# Altium PCB xialeste.PcbDoc (part 8 of 10)
Units mm, origin at the board's own origin, x right, y up, seen from the top; angles counter-clockwise.
Board outline 203.2 x 171.45 mm, 6 copper layers (L1, L2, L3, L4 (PWR), L5, L6), stack 1.542 mm thick; 748 components, 618 nets, 3334 pads, 1535 vias.
Unrouted connection lines stored in the file: 160.
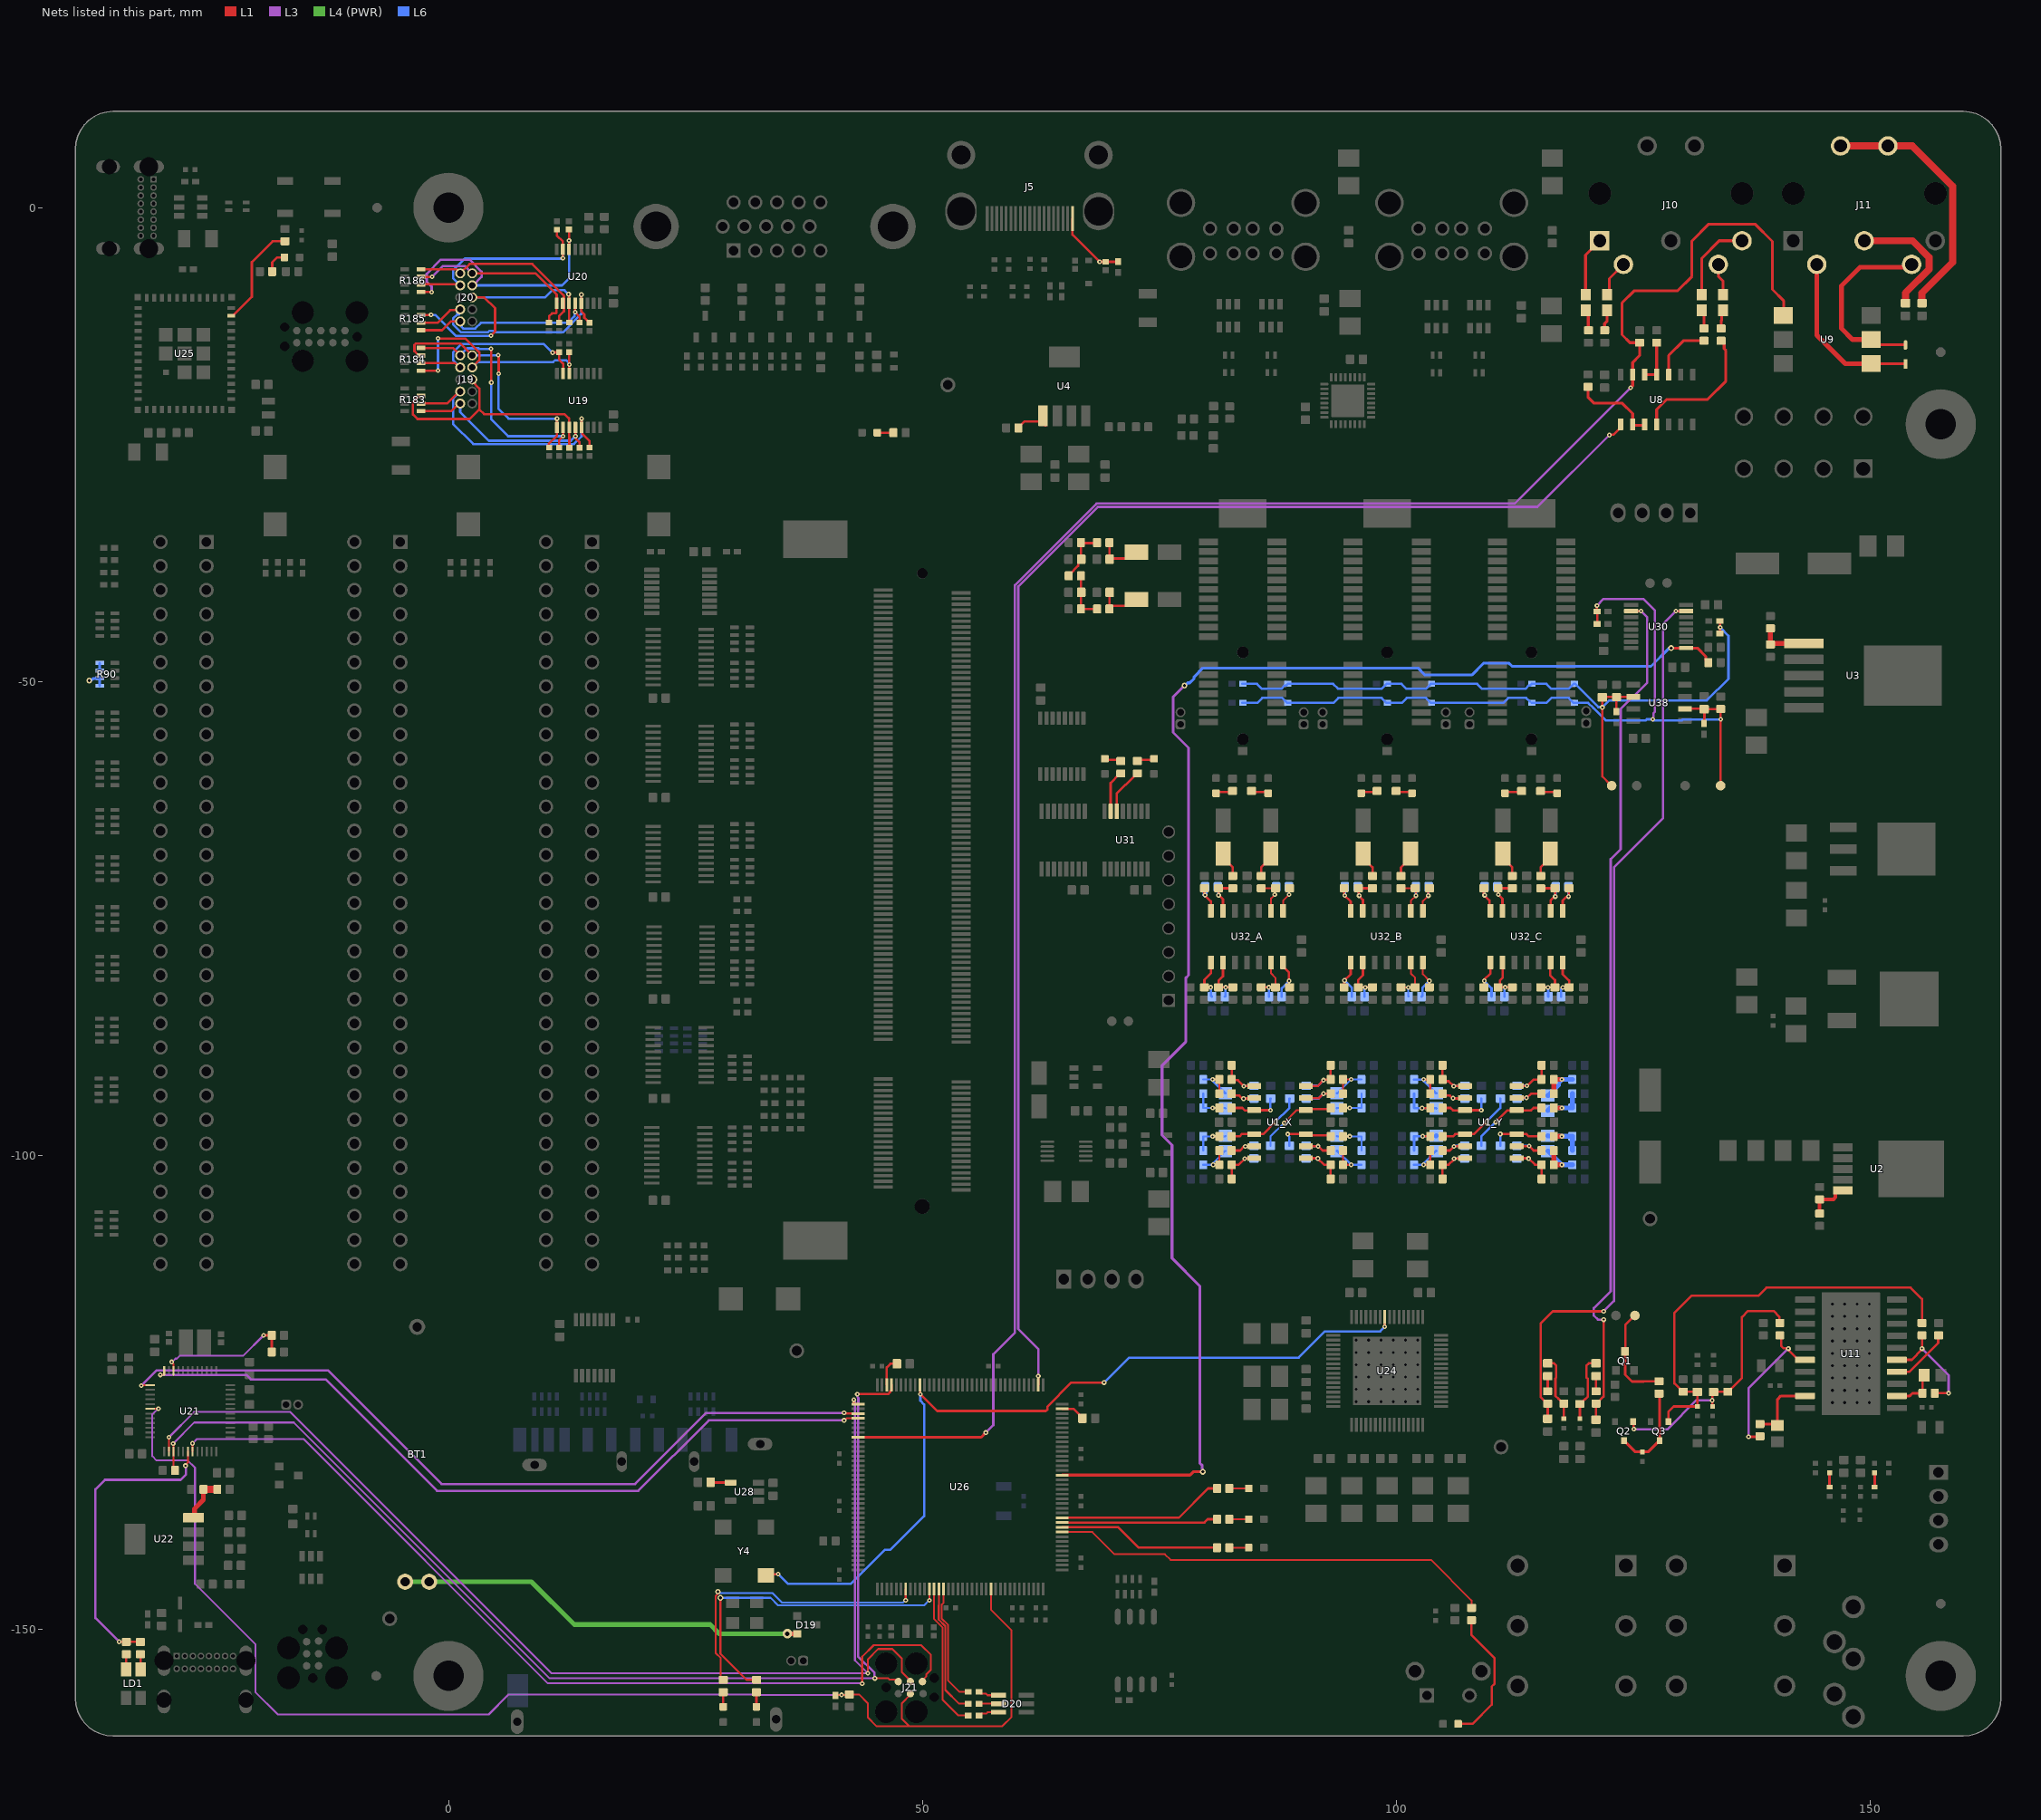
[diagram p12: the nets of this part, all layers, seen from the top]

## Via types
v1: diameter 0.5, hole 0.2, L1 to L6, tented both sides, 977 vias
v2: diameter 1, hole 0.5, L1 to L6, 416 vias
v3: diameter 0.6, hole 0.3, L1 to L6, 96 vias
v4: diameter 0.45, hole 0.25, L1 to L6, 26 vias
v5: diameter 0.5, hole 0.2, L1 to L6, 10 vias
v6: diameter 1, hole 0.5, L1 to L6, tented both sides, 10 vias

## Nets (pads, with @x,y where several pads share a name; then routed paths per layer and width w, separated by ;. In a path a pad name is that pad's centre, name@x,y a point inside that pad or via, vN(x,y) a via of type N, cw(c..) or ccw(c..) an arc to the next point about the centre after c; other vN are vias at no path point) (continued)
IMX1: R254.2 U26.57 U30.9 | length 160.8
  L1 w0.3: U26.57@64.776,-133.75 78.25,-133.75 78.6,-133.4 v3(79.6,-133.4) ; v3(129.025,-46.475) U30.9@130.6,-46.475 131.8,-46.475 132.675,-47.35 132.675,-47.725 R254.2@132.95,-48
  L3 w0.3: v3(77.667,-50.433) 76.475,-51.625 76.475,-55.375 78.1,-57 78.1,-80.993 77.8,-81.293 77.8,-88.033 75.3,-90.533 75.3,-97.867 76.35,-98.917 76.35,-110.85 79.3,-113.8 79.3,-132.5 79.543,-132.743 79.543,-133.343 v3(79.6,-133.4)
  L6 w0.3: v3(77.667,-50.433) 77.748,-50.433 78.031,-50.15 78.228,-50.15 78.683,-49.695 78.683,-49.517 79.617,-48.583 102.317,-48.583 103.051,-49.317 107.983,-49.317 109.217,-48.083 111.917,-48.083 112.234,-48.4 126.9,-48.4 128.825,-46.475 v3(129.025,-46.475)
J3.3REF: R197.1 R198.1 U22.4 | length 4.9
  L1 w0.5: U22.4@-26.9,-138.25 -26.793,-138.143 -26.793,-137.293 -25.85,-136.35 R198.1@-25.85,-135.25
  L1 w0.75: R198.1@-25.85,-135.25 R197.1@-24.4,-135.25
J_CLK: J21.4 U21.26 U26.109 | length 126.8
  L1 w0.2: U21.26@-29.5,-131.25 v1(-29.5,-129.75) ; v1(44.256,-154.655) 44.256,-153.186 45.344,-152.098 46.836,-152.098 47.837,-153.098 47.837,-154.523 48.74,-155.426 J21.4@48.74,-155.54
  L1 w0.25: v1(42.778,-125.802) 42.778,-126.235 42.793,-126.25 U26.109@43.224,-126.25
  L3 w0.2: v1(-29.5,-129.75) -26.842,-127.092 -16.686,-127.092 10.878,-154.655 v1(44.256,-154.655) ; v1(42.778,-125.802) 42.778,-125.883 42.9,-126.005 42.9,-153.3 44.235,-154.635 v1@44.235,-154.638
J_DIO: J21.2 R192.1 U21.27 U26.105 | length 126.6
  L1 w0.2: v1(-29.05,-130.425) -29.05,-130.493 -29,-130.543 U21.27@-29,-131.25 -29,-133.1 R192.1@-28.85,-133.25 ; v1(44.995,-155.196) 46.419,-155.196 46.554,-155.331 J21.2@47.273,-155.331
  L1 w0.25: v1(43.142,-125.201) 46.411,-125.201 46.615,-124.997 46.615,-124.899 46.75,-124.764 U26.105@46.75,-124.224
  L3 w0.2: v1(-29.05,-130.425) -26.825,-128.2 -16.322,-128.2 10.678,-155.2 44.991,-155.2 v1(44.995,-155.196)
  L3 w0.25: v1(43.142,-125.201) 43.17,-125.228 43.17,-125.522 43.253,-125.605 43.253,-125.999 43.225,-126.027 43.225,-152.87 44.956,-154.602 44.956,-155.173 v1@44.98,-155.196
J_PA0: R188.1 R190.2 U21.10 | length 14.5
  L1 w0.2: v1(-29.21,-121.8) -29.21,-121.823 -29,-122.033 U21.10@-29,-122.75
  L1 w0.25: v1(-19.5,-119) R188.1@-18.65,-119 R190.2@-18.65,-120.75
  L3 w0.2: v1(-29.21,-121.8) -29.142,-121.8 -28.805,-121.463 -28.663,-121.463 -28.365,-121.165 -21.665,-121.165 v1(-19.5,-119)
J_RST: J21.3 R217.1 R291.1 U21.18 U26.25 | length 141
  L1 w0.2: U21.18@-31.5,-126.75 -30.616,-126.75 v1(-30.612,-126.755) ; R291.1@40.839,-156.992 40.9,-156.931 42.22,-156.931 R217.1@42.258,-156.893 ; R217.1@42.314,-156.893 42.339,-156.917 42.379,-156.917 43.361,-156.917 44.261,-157.817 44.261,-159.317 45.201,-160.258 48.609,-160.258 48.614,-160.253 ; J21.3@48.74,-156.81 48.74,-156.925 47.837,-157.827 47.837,-159.476 48.614,-160.253 ; U26.25@57.25,-145.776 57.25,-147.95 59.4,-150.1 59.4,-159.3 58.447,-160.253 48.614,-160.253
  L3 w0.2: -31.01,-127.085 -31.25,-127.325 -31.25,-131.75 -30.8,-132.2 -27.5,-132.2 -26.75,-132.95 -26.75,-145.212 -20.376,-151.586 -20.376,-156.624 -18,-159 4.25,-159 6.345,-156.905 32.375,-156.905 32.401,-156.931 v1(41.495,-156.931) ; -31.01,-127.085 -30.679,-126.755 v1(-30.612,-126.755)
J_RX: U21.13 U26.111 | length 85.3
  L1 w0.2: v1(-32.4,-124.3) -32.35,-124.25 U21.13@-31.5,-124.25
  L1 w0.25: v1(41.745,-127.183) 41.799,-127.183 41.865,-127.25 U26.111@43.224,-127.25
  L3 w0.25: v1(-32.4,-124.3) -30.8,-122.7 -12.722,-122.7 -0.728,-134.694 19.696,-134.694 27.207,-127.183 v1(41.745,-127.183)
J_SWO: J21.6 U21.31 | length 96.6
  L1 w0.2: U21.31@-27,-131.25 v1(-27,-130.4) ; v1(43.661,-155.755) 43.661,-152.903 44.874,-151.69 49.871,-151.69 50.912,-152.732 50.912,-154.272 50.432,-154.752 50.432,-154.98 50.01,-155.402 J21.6@50.01,-155.54
  L3 w0.2: v1(-27,-130.4) -26.55,-129.95 -15.291,-129.95 10.483,-155.724 43.63,-155.724 v1(43.661,-155.755)
J_TX: U21.12 U26.112 | length 82.7
  L1 w0.2: v1(-30.4,-123.175) -30.375,-123.15 -30,-123.15 U21.12@-30,-122.75 ; v1(41.745,-127.971) 41.812,-127.971 42.033,-127.75 U26.112@43.224,-127.75
  L3 w0.25: v1(-30.4,-123.175) -27.939,-123.175 -27.929,-123.165 -21.335,-123.165 -20.85,-123.65 -12.963,-123.65 -1.204,-135.41 20.042,-135.41 27.481,-127.971 v1(41.745,-127.971)
JOY1_BTN1: C94.2 J19.6 R183.3 U19.11 | length 26.5
  L1 w0.25: R183.3@-2.911,-19.87 -3.136,-19.87 -3.236,-19.97 -3.236,-19.997 -3.739,-20.5 -3.739,-21.838 -3.275,-22.301 2.24,-22.301 3.257,-21.285 ; J19.6@2.511,-18.132 2.507,-18.136 2.507,-18.336 3.261,-19.091 3.261,-20.982 3.257,-20.987 3.257,-21.285 ; C94.2@12.759,-25.33 12.754,-25.33 12.754,-24.188 12.745,-24.179 12.745,-23.197 U19.11@12.75,-23.197 12.725,-23.172 12.725,-22.225 12.7,-22.2 12.658,-22.2 12.255,-21.797 3.769,-21.797 3.257,-21.285
JOY1_BTN2: C99.2 J19.9 R183.1 U19.12 | length 21.2
  L1 w0.25: R183.1@-2.911,-21.47 0.274,-21.47 J19.9@1.076,-20.668 ; U19.12@13.4,-23.197 U19.12@13.4,-23.486 ; U19.12@13.427,-23.459 U19.12@13.4,-23.486 ; C99.2@13.828,-25.332 13.828,-24.737 13.4,-24.309 v1(13.4,-24.122) U19.12@13.4,-23.486
  L6 w0.25: J19.9@1.241,-20.672 1.241,-21.591 4.247,-24.597 12.925,-24.597 v1(13.4,-24.122)
JOY1_BTN3: C96.2 J19.7 R183.2 U19.13 | length 28.4
  L1 w0.25: R183.2@-2.911,-20.67 -0.154,-20.67 J19.7@1.197,-19.319 ; U19.13@14.05,-23.197 U19.13@14.05,-23.188 ; v1(14.05,-22.272) 14.05,-22.303 U19.13@14.05,-23.188 ; C96.2@14.897,-25.325 14.897,-24.65 14.125,-23.877 14.125,-23.263 U19.13@14.05,-23.188
  L6 w0.25: J19.7@1.241,-19.402 0.491,-20.152 0.491,-22.816 2.622,-24.947 13.247,-24.947 14.05,-24.143 v1@14.05,-22.303
JOY1_DOWN: C95.2 J19.2 R184.3 U19.9 | length 26.9
  L1 w0.25: R184.3@-2.911,-15.606 -3.136,-15.606 -3.586,-15.156 -3.586,-14.488 -3.454,-14.356 1.276,-14.356 2.376,-15.457 J19.2@2.477,-15.457 ; v1@5.262,-15.565 5.263,-15.563 5.3,-15.526 5.3,-17.516 v1(5.291,-17.525) ; C95.2@10.618,-25.322 10.59,-25.419 10.573,-25.402 10.573,-24.937 11.45,-24.06 U19.9@11.45,-23.197 v1(11.45,-22.272)
  L6 w0.25: J19.2@2.511,-15.592 4.296,-15.592 4.302,-15.597 4.695,-15.597 4.701,-15.592 5.094,-15.592 5.121,-15.565 v1(5.265,-15.565) ; v1@5.287,-17.525 v1(5.291,-17.525) ; v1@5.3,-17.516 v1(5.291,-17.525) ; v1(11.45,-22.272) 6.337,-22.272 5.274,-21.209 5.274,-17.542 v1(5.291,-17.525)
JOY1_LEFT: C97.2 J19.3 R184.2 U19.7 | length 20.6
  L1 w0.25: R184.2@-2.911,-16.406 0.693,-16.406 J19.3@1.113,-16.826 ; v1(10.997,-15.297) 10.997,-15.279 11.679,-15.279 C97.2@11.682,-15.281 ; C97.2@11.682,-15.252 11.706,-15.306 C97.2@11.682,-15.281 ; U19.7@12.103,-17.497 12.103,-17.459 12.1,-17.455 12.1,-16.471 11.682,-16.053 C97.2@11.682,-15.281
  L6 w0.25: J19.3@1.241,-16.862 0.491,-16.112 0.491,-15.281 1.393,-14.38 10.044,-14.38 10.97,-15.306 v1@10.997,-15.279
JOY1_RIGHT: C98.2 J19.4 R184.1 U19.6 | length 26.2
  L1 w0.25: R184.1@-2.911,-17.206 -1.119,-17.206 v1(-1.113,-17.2) ; v1(-1.105,-13.805) -1.105,-13.825 -1.116,-13.814 -1.104,-13.802 1.783,-13.802 3.261,-15.281 3.261,-16.112 2.534,-16.839 2.534,-16.877 J19.4@2.511,-16.862 ; C98.2@12.741,-15.253 12.745,-15.257 U19.6@12.745,-17.366 ; U19.6@12.75,-17.497 v5(12.75,-16.572) v5@12.768,-16.423
  L6 w0.25: v1@-1.119,-17.206 -1.113,-17.206 -1.094,-17.207 -1.105,-17.196 v1@-1.105,-13.825 ; J19.4@2.511,-16.862 3.081,-16.292 11.058,-16.292 11.253,-16.097 12.442,-16.097 12.768,-16.423 v5(12.75,-16.572)
JOY1_UP: C93.2 J19.1 R184.4 U19.10 | length 26.3
  L1 w0.25: R184.4@-2.911,-14.806 0.456,-14.806 J19.1@1.224,-15.574 ; J19.1@1.241,-15.592 J19.1@1.224,-15.574 ; J19.1@1.386,-15.574 J19.1@1.224,-15.574 ; v1(4.5,-14.9) 4.51,-14.91 4.51,-18.445 v1(4.52,-18.455) ; C93.2@11.692,-25.322 11.692,-24.508 v1@12.1,-24.1 ; v1(12.1,-24.122) U19.10@12.1,-23.197
  L6 w0.25: J19.1@1.241,-15.592 1.241,-15.566 1.966,-14.842 3.177,-14.842 3.235,-14.9 v1(4.5,-14.9) ; v1(4.52,-18.455) 4.52,-22.343 6.298,-24.122 v1(12.1,-24.122)
JOY2_BTN1: C101.2 J20.6 R185.3 U20.11 | length 28.3
  L1 w0.25: R185.3@-2.892,-11.337 -2.889,-11.334 v1@-1.81,-11.334 ; v1@-1.9,-11.3 v1(-1.838,-11.3) ; J20.6@2.511,-9.471 3.777,-9.471 4.919,-10.613 4.919,-13.081 v1(4.484,-13.516) v1@4.5,-13.5 ; v1(12.678,-9.135) 12.723,-9.181 U20.11@12.723,-10.106 ; U20.11@12.741,-9.879 12.741,-12.11 C101.2@12.758,-12.127
  L6 w0.25: v1(-1.838,-11.3) v1@-1.807,-11.331 ; v1@-1.81,-11.334 v1@-1.807,-11.331 ; J20.6@2.511,-9.471 10.189,-9.471 10.954,-8.706 12.248,-8.706 v1(12.678,-9.135) ; v1(4.484,-13.516) 0.782,-13.516 -1.403,-11.331 v1@-1.807,-11.331
JOY2_BTN2: C106.2 J20.9 R185.1 U20.12 | length 20.4
  L1 w0.25: R185.1@-2.892,-12.937 -0.668,-12.937 0.259,-12.011 J20.9@1.241,-12.011 ; v1(13.373,-11.031) U20.12@13.373,-10.106 ; v1@13.387,-11.045 13.825,-11.483 C106.2@13.825,-12.127
  L6 w0.25: J20.9@1.241,-12.011 1.394,-12.164 1.394,-12.598 1.557,-12.761 2.822,-12.761 3.419,-12.163 12.595,-12.163 13.29,-11.468 13.29,-11.091 v1(13.373,-11.031) v1@13.387,-11.045
JOY2_BTN3: C103.2 J20.7 R185.2 U20.13 | length 27.2
  L1 w0.25: R185.2@-2.892,-12.137 -1.126,-12.137 0.189,-10.822 1.279,-10.822 J20.7@1.241,-10.741 ; U20.13@14.023,-10.106 v1(14.023,-9.181) ; U20.13@14.083,-10.093 14.032,-10.144 14.032,-10.967 14.334,-11.27 14.334,-11.609 14.863,-12.137 C103.2@14.883,-12.137
  L6 w0.25: J20.7@1.241,-10.741 0.916,-11.066 1.111,-11.261 0.931,-11.261 0.491,-11.7 0.491,-12.322 1.336,-13.166 4.162,-13.166 4.322,-13.006 4.715,-13.006 4.875,-13.166 12.087,-13.166 14.024,-11.229 14.024,-9.305 14.012,-9.293 14.027,-9.277 v1(14.023,-9.181)
JOY2_DOWN: C102.2 J20.2 R186.3 U20.9 | length 19.7
  L1 w0.25: R186.3@-2.911,-7.3 -2.909,-7.301 v1(-1.727,-7.3) v1(-1.727,-7.3) ; J20.2@2.511,-6.931 9.173,-6.931 11.423,-9.181 11.423,-9.974 U20.9@11.392,-10.005 ; C102.2@10.616,-12.125 10.616,-11.463 10.931,-11.148 11.325,-11.148 11.392,-11.081 U20.9@11.392,-10.005 ; U20.9@11.472,-9.925 U20.9@11.392,-10.005
  L3 w0.25: v1(-1.727,-7.3) -1.727,-7.302 -1.726,-7.301 -0.605,-6.181 1.753,-6.181 2.531,-6.96 J20.2@2.511,-6.931
JOY2_LEFT: C104.2 J20.3 R186.2 U20.7 | length 21.6
  L1 w0.25: R186.2@-2.911,-8.1 1.219,-8.1 1.28,-8.162 J20.3@1.334,-8.216 ; C104.2@11.44,-2.318 11.44,-2.942 12.073,-3.575 v1(12.073,-5.331)
  L6 w0.25: J20.3@1.241,-8.201 0.491,-7.451 0.491,-6.62 1.731,-5.381 12.085,-5.381 v1(12.073,-5.331)
JOY2_RIGHT: C105.2 J20.4 R186.1 U20.6 | length 28.6
  L1 w0.25: R186.1@-2.911,-8.9 -1.793,-8.9 v1(-1.774,-8.919) ; v1@12.7,-3.6 v1@12.723,-3.577 ; C105.2@12.716,-2.31 12.723,-2.318 v1@12.723,-3.577 ; U20.6@12.723,-4.406 v1@12.723,-3.577 ; v1@12.725,-3.575 v1@12.723,-3.577
  L3 w0.25: v1(-1.774,-8.919) -1.774,-8.327 -2.292,-7.809 -2.292,-6.994 -0.798,-5.5 2.245,-5.5 3.499,-6.754 3.499,-7.291 J20.4@2.555,-8.234
  L6 w0.25: J20.4@2.511,-8.201 11.99,-8.201 12.725,-7.465 12.725,-3.575 v1@12.725,-3.573
  other v1: 12.725,-3.478
JOY2_UP: C100.2 J20.1 R186.4 U20.10 | length 20
  L1 w0.25: R186.4@-2.911,-6.5 0.86,-6.5 J20.1@1.126,-6.766 ; J20.1@1.241,-6.931 2.231,-5.941 8.855,-5.941 12.153,-9.239 12.153,-9.353 12.188,-9.388 12.188,-10.947 11.682,-11.452 11.682,-12.018 C100.2@11.6,-12.1
LAUX: R263.1 U31.7 | length 4.6
  L1 w0.25: U31.7@69.875,-63.7 69.875,-60.725 70.8,-59.8 R263.1@71.1,-59.8
LED: R201.1 R202.1 U21.30 | length 32.1
  L1 w0.2: v1@-27.712,-132.788 v1(-27.75,-132.75) -27.75,-132.682 -27.5,-132.432 U21.30@-27.5,-131.25
  L1 w0.25: v1(-34.75,-151.335) -34.742,-151.342 -33.992,-151.342 R201.1@-33.984,-151.335 ; R201.1@-33.9,-151.35 R202.1@-32.5,-151.35
  L1 w0.3: R201.1@-34,-151.35 R201.1@-33.9,-151.35
  L3 w0.25: v1@-34.767,-151.318 -37.25,-148.835 -37.25,-135.25 -36.25,-134.25 -28.25,-134.25 -27.712,-133.712 -27.712,-132.929 v1@-27.712,-132.788
LED_B: R218.1 U26.13 | length 15.5
  L1 w0.2: U26.13@51.25,-145.776 51.25,-148.932 52.127,-149.809 52.127,-157.427 53.813,-159.113 R218.1@54.932,-159.113
LED_G: R219.1 U26.14 | length 14
  L1 w0.2: U26.14@51.75,-145.776 51.75,-147.463 51.74,-147.473 51.74,-148.998 52.427,-149.685 52.427,-156.427 53.875,-157.875 R219.1@54.848,-157.875
LED_LINON: R138.1 U26.45 | length 47
  L1 w0.2: U26.45@64.776,-139.75 67.95,-139.75 70.3,-142.1 75.6,-142.1 76.2,-142.7 103.68,-142.7 107.958,-146.977 R138.1@107.958,-147.756
LED_QSPI: R222.1 U26.12 | length 34.6
  L1 w0.2: v3(28.7,-146.7) 28.7,-152.6 31.45,-155.35 R222.1@32.5,-155.35 ; v5(50.75,-146.95) U26.12@50.75,-145.776
  L6 w0.2: v3(28.7,-146.7) 34,-146.7 34.781,-147.481 50.219,-147.481 v5(50.75,-146.95)
LED_R: R220.1 U26.15 | length 12.6
  L1 w0.2: U26.15@52.25,-145.776 52.25,-147.217 52.05,-147.417 52.05,-147.587 52.04,-147.597 52.04,-148.873 52.727,-149.561 52.727,-155.427 53.925,-156.625 R220.1@54.848,-156.625
LED_SD1: R221.1 U26.7 | length 31.3
  L1 w0.2: v3(28.44,-146.05) 28.44,-146.14 28.5,-146.2 28.493,-146.2 28.2,-146.493 28.2,-152.524 28.731,-153.056 28.731,-155.031 R221.1@29,-155.3 ; v5(48.25,-146.95) U26.7@48.25,-145.776
  L6 w0.2: v3(28.44,-146.05) 28.44,-146.14 28.5,-146.2 34.2,-146.2 35.181,-147.181 47.983,-147.181 48.214,-146.95 v5(48.25,-146.95)
LED_X: R224.1 U26.48 | length 17.6
  L1 w0.25: U26.48@64.776,-138.25 77.072,-138.25 80.172,-135.15 R224.1@81.1,-135.15
LED_Y: R225.1 U26.47 | length 16.5
  L1 w0.25: U26.47@64.776,-138.75 79.767,-138.75 80.118,-138.4 R225.1@81.1,-138.4
LED_Z: R223.1 U26.46 | length 17.2
  L1 w0.25: U26.46@64.776,-139.25 70.675,-139.25 72.824,-141.4 R223.1@81.1,-141.4
LEDK: D15.1 R207.1 | length 2.5
  L1 w0.25: R207.1@-18.6,-6.748 -18.6,-5.773 -18.075,-5.248 D15.1@-17.3,-5.248
LIAUDIO_L: C72.2 FB9.1 Q3.1 R119.1 R129.2 | length 46.4
  L1 w0.25: Q3.1@128.75,-128.1 128.75,-127.047 129.297,-126.5 131.675,-126.5 131.71,-126.465 FB9.1@131.71,-126.436 ; R129.2@130.243,-124.939 130.239,-124.939 129.376,-124.076 129.376,-116.624 131.2,-114.8 138.256,-114.8 139.093,-113.964 154.305,-113.964 155.5,-115.159 155.5,-117.596 R119.1@155.571,-117.667 ; R129.2@130.3,-124.95 130.312,-124.963 131.755,-124.963 C72.2@131.796,-125.003 ; C72.2@131.739,-124.898 131.8,-124.96 FB9.1@131.8,-126.5
LIAUDIO_R: C71.2 FB8.1 Q2.1 R124.1 R128.2 | length 27.1
  L1 w0.25: Q2.1@125,-128.1 125.062,-128.162 125.062,-128.862 v1(125.1,-128.9) ; FB8.1@133.353,-126.484 133.381,-126.456 133.381,-125.872 v1(133.363,-125.853) 133.363,-125.112 C71.2@133.5,-124.975 133.512,-124.963 135.038,-124.963 135.35,-124.65 135.35,-124.623 136.486,-123.487 136.486,-117.065 137.119,-116.432 139.832,-116.432 140.446,-117.046 140.446,-117.646 R124.1@140.5,-117.7
  L3 w0.25: v1(125.1,-128.9) 128.653,-128.9 131.7,-125.853 v1(133.363,-125.853)
LIN_L: C82.2 R133.1 U30.15 | length 95.7
  L1 w0.25: C82.2@116,-127.8 R133.1@116,-126.2 115.95,-126.2 115.275,-125.525 115.275,-117.725 116.538,-116.462 v1(121.905,-116.462) ; v1(129.525,-42.575) U30.15@130.6,-42.575
  L3 w0.25: v1(121.905,-116.462) 123,-115.366 123,-69.6 128.175,-64.425 128.175,-43.925 v1(129.525,-42.575)
LIN_R: C81.2 R132.1 U30.2 | length 90.2
  L1 w0.25: C81.2@121.1,-127.9 R132.1@121.1,-126.2 121.15,-126.2 121.9,-125.45 v1@121.9,-117.3 ; U30.2@124.8,-42.575 v1(125.845,-42.575)
  L3 w0.25: v1(121.906,-117.342) 121.293,-117.342 120.87,-116.92 120.87,-116.13 122.65,-114.35 122.65,-68.755 123.7,-67.705 123.7,-52.9 126.5,-50.1 126.5,-43.23 v1(125.845,-42.575)
LVFX: R262.1 U31.6 | length 5
  L1 w0.25: U31.6@70.525,-63.7 70.525,-61.803 71.427,-60.902 71.449,-60.902 72.45,-59.9 R262.1@72.8,-59.9
MCLK: U24.41 U26.99 Y4.3 | length 88.8
  L1 w0.25: Y4.3@33.6,-144.3 33.7,-144.2 v1(34.8,-144.2) ; U26.99@49.75,-124.224 49.765,-124.239 49.765,-125.165 v1(49.8,-125.2) 51.58,-126.98 63.048,-126.98 63.194,-126.834 63.194,-126.537 65.741,-123.991 v1@69.283,-123.991
  L1 w0.3: v1(98.8,-118.1) 98.81,-118.09 U24.41@98.81,-117.05
  L6 w0.25: v1(34.8,-144.2) 35.825,-145.225 42.462,-145.225 46.04,-141.646 46.621,-141.646 50.2,-138.067 50.2,-126.3 49.8,-125.9 v1(49.8,-125.2) ; v1(69.186,-123.984) 71.824,-121.346 76.436,-121.346 76.447,-121.358 76.841,-121.358 76.852,-121.346 89.725,-121.346 92.496,-118.575 98.325,-118.575 v1(98.8,-118.1)
MIDI_IN: R76.1 U8.13 U9.4 U26.116 | length 219.5
  L1 w0.3: U26.116@43.224,-129.75 56.219,-129.75 v1(56.708,-129.26) ; v1(124.75,-19) 124.96,-18.79 U8.13@124.96,-17.625 124.96,-16.335 125.7,-15.595 R76.1@125.7,-14.25 124.674,-14.25 123.842,-13.418 123.842,-10.056 125.106,-8.791 129.68,-8.791 131.213,-7.258 131.213,-3.519 132.988,-1.743 137.884,-1.743 139.714,-3.572 139.714,-8.63 140.897,-9.814 U9.4@140.897,-11.643
  L3 w0.25: v1(56.708,-129.26) 57.5,-128.469 57.5,-120.999 59.775,-118.724 59.775,-39.833 68.383,-31.225 112.525,-31.225 v1(124.75,-19)
MIDI_IN_4: D12.1 J11.4 U9.1 | length 18.2
  L1 w0.3: U9.1@150.135,-16.465 153.715,-16.465 D12.1@153.75,-16.5
  L1 w0.5: J11.4@144.8,-5.99 144.395,-6.395 144.395,-13.445 147.415,-16.465 U9.1@150.135,-16.465
MIDI_IN_5: D12.2 J11.5 U9.2 | length 20.6
  L1 w0.3: U9.2@150.135,-13.925 150.674,-14.464 153.715,-14.464 D12.2@153.75,-14.5
  L1 w0.5: U9.2@150.135,-13.925 148.175,-13.925 147,-12.75 147,-8.25 148.963,-6.287 154.513,-6.287 154.405,-6.178 J11.5@154.405,-5.99
MIDI_OUT: U8.1 U26.74 | length 156
  L1 w0.25: v1(62.244,-123.291) 62.247,-123.294 62.247,-124.221 U26.74@62.25,-124.224 ; v1(122.5,-24) 122.538,-23.962 122.953,-23.962 123.69,-23.225 U8.1@123.69,-22.875
  L3 w0.25: v1(62.244,-123.291) 62.244,-120.444 60.125,-118.326 60.125,-39.978 68.528,-31.575 114.925,-31.575 v1(122.5,-24)
MIDI_OUT_1: FB2.2 J10.1 | length 6.3
  L1 w0.3: FB2.2@120,-9.174 120,-4.995 J10.1@121.495,-3.5
MIDI_OUT_3: FB5.2 J10.3 | length 8.8
  L1 w0.3: FB5.2@132.25,-9.174 132.25,-5.346 134.096,-3.5 J10.3@136.505,-3.5
MIDI_OUT_4: FB3.2 J10.4 | length 3.9
  L1 w0.3: FB3.2@122.25,-9.174 122.5,-8.924 122.5,-7.485 J10.4@123.995,-5.99
MIDI_OUT_5: FB4.2 J10.5 | length 3.4
  L1 w0.3: J10.5@134.005,-5.99 134.039,-6.024 134.039,-7.289 134.5,-7.75 FB4.2@134.5,-9.174
MIX_L: C210.1 R242.2 R243.2 R244.2 R245.2 R246.2 R247.2 R279.1 R280.2 R281.2 R282.2 TP11.1 U38.2 | length 77.3
  L1 w0.25: C210.1@121.75,-51.675 121.763,-51.688 v1(121.763,-52.737) 121.763,-60.013 TP11.1@122.668,-60.918 ; C210.1@121.865,-51.615 R279.1@123.25,-51.615 ; TP11.1@122.668,-61.051 TP11.1@122.668,-60.918 ; TP11.1@122.75,-61 TP11.1@122.668,-60.918 ; R280.2@123.25,-53.175 R279.1@123.25,-51.65 R279.1@123.25,-51.615 ; R279.1@123.25,-51.5 R279.1@123.25,-51.615 ; U38.2@125.025,-51.615 R279.1@123.25,-51.615 ; R282.2@134.15,-44.85 134.15,-44.8 R282.2@134.2,-44.75 ; R281.2@134.15,-43.624 134.2,-43.674 134.2,-44.9 R282.2@134.175,-44.925
  L6 w0.25: R242.2@83.75,-50.25 85.328,-50.25 85.853,-50.775 86.292,-50.775 87.893,-50.775 88.243,-50.425 88.4,-50.425 R243.2@88.575,-50.25 ; R243.2@88.75,-50.25 93.347,-50.25 93.852,-50.755 96.927,-50.755 96.947,-50.775 98.393,-50.775 98.475,-50.775 99,-50.25 R244.2@99.075,-50.25 ; R244.2@99.15,-50.25 100.578,-50.25 101.103,-50.775 101.532,-50.775 103.15,-50.775 103.675,-50.25 R245.2@103.75,-50.25 ; R245.2@103.825,-50.25 108.559,-50.25 109.084,-50.775 113.643,-50.775 113.993,-50.425 114.15,-50.425 R246.2@114.325,-50.25 115.873,-50.25 116.398,-50.775 116.772,-50.775 118.225,-50.775 118.75,-50.25 118.9,-50.25 121.349,-52.699 121.724,-52.699 v1(121.763,-52.737) ; v1@121.8,-52.7 122.5,-52 132.8,-52 135.075,-49.725 135.075,-45.175 v1(134.2,-44.3)